# KiCad board Panel3-copy2.kicad_pcb (continued)
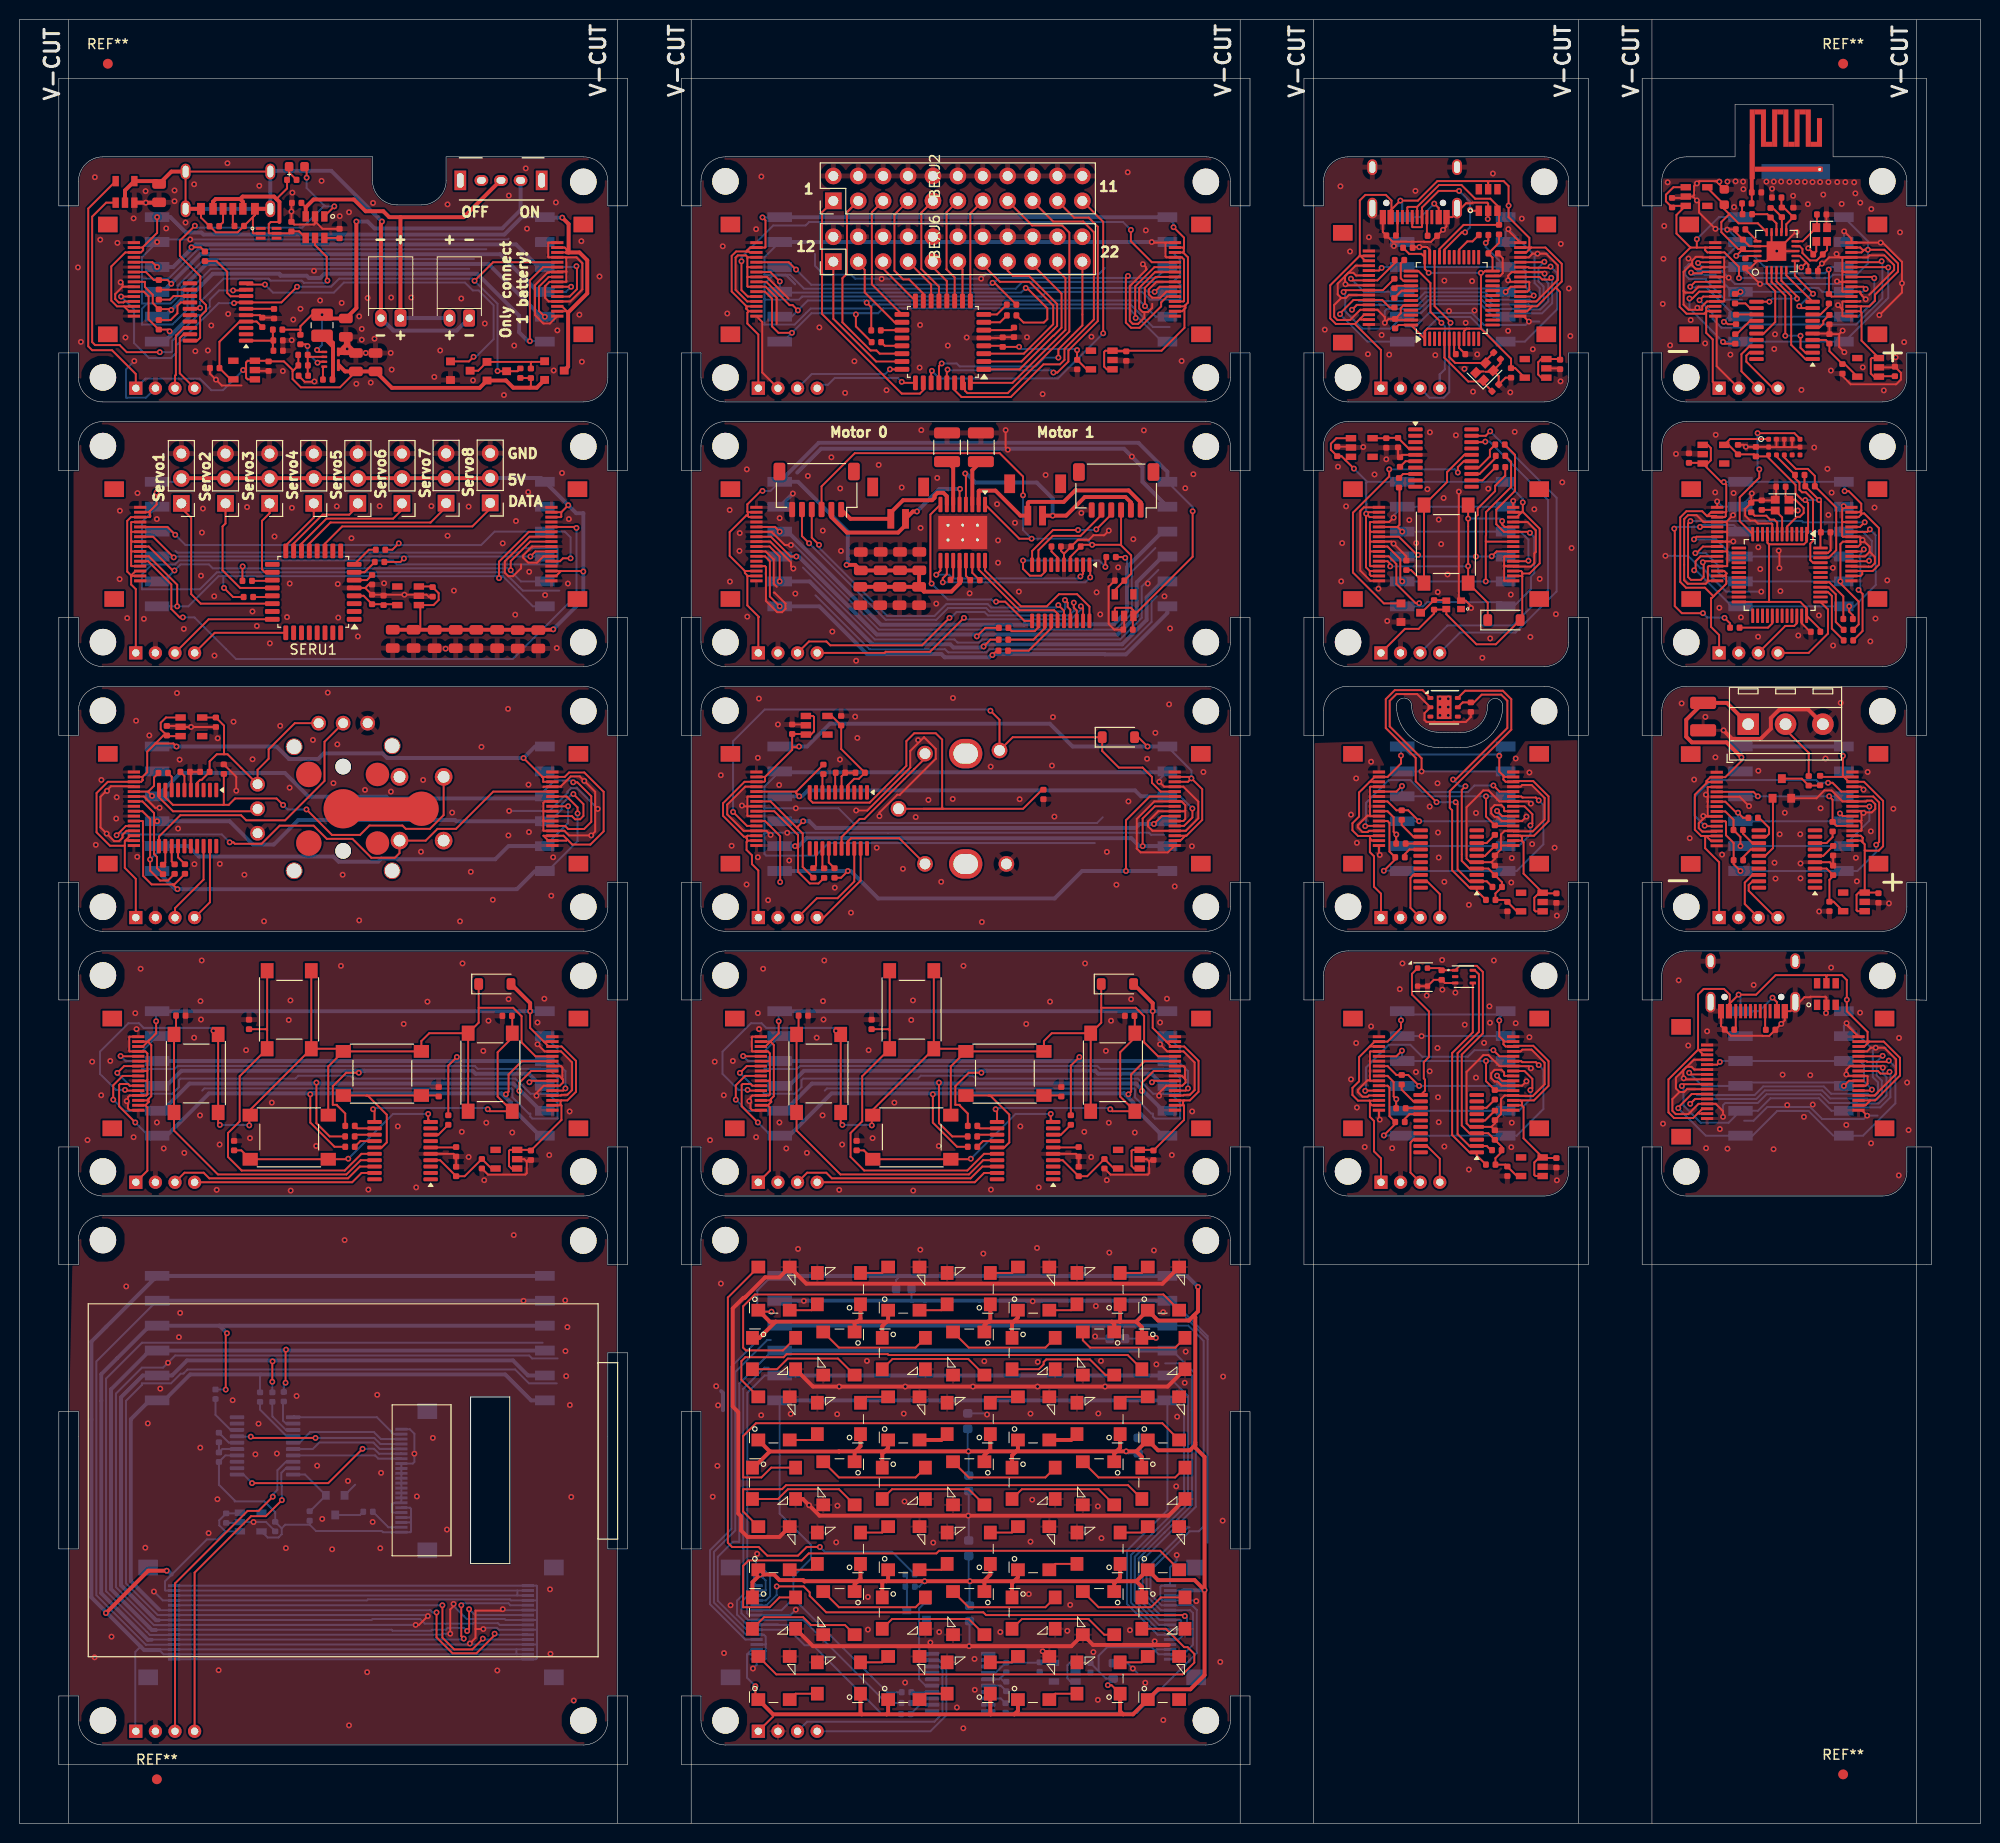
[diagram p0: board, top side]
## Routing (per net, layer and track width the routed paths; a pad name or vN(x,y) marks a point on that pad's centre or on a via; arc(x,y) is an arc through that point) (continued)
  Bottom w0.2: v1(186.38,84.03) 186.38,83.15 POWJ3.6 ; v1(178.79,84.23) 177.41,82.85 POWJ1.1 175.53,84.35 v1(175.34,84.54)
POW_GND: length 130.2
  Top w0.2: v1(184.25,82.66) 184.29,82.7 POWIC1.2 184.29,84.23 184.19,84.33 182.68,84.33 182.62,84.28 182.05,84.28 180.63,82.86 180.04,82.86 180.04,81.91 v1(179.69,81.56) POWR1.2 178.47,80.33 177.78,80.33 177.76,80.34 174.54,80.34 POWR2.1 173.54,81.34 173.54,82.86 ; v1(188.45,72.2) 187.9,72.75 POWJ6.1 ; 169.3,74.61 168.58,73.89 168.58,72.69 168.92,72.35 170.2,72.35 171.25,73.4 POWJ5.13 173,73.4 173.75,72.65 v1(173.75,72.08) ; 169.3,74.61 169.78,74.61 170.08,74.9 POWJ5.10 ; 169.3,74.61 168.94,74.97 168.94,76.07 170.77,77.9 POWJ5.4 ; v1(186.35,81.62) 186.35,81.47 POWJ6.16 ; POWJ6.4 189.2,74.25 191.4,76.45 191.4,77.92 190.2,79.12 v1(189.32,79.12) 188.82,79.12 188.44,78.75 POWJ6.13 ; v1(190.05,77.09) 189.89,77.25 POWJ6.10 186.69,77.25 186.32,76.88 v1(186.32,76.4) 186.47,76.25 POWJ6.8 188.44,76.25 188.5,76.2 188.5,75.44 188.3,75.25 POWJ6.6 ; POWJ5.8 169.84,75.9 v1(169.74,76) 169.69,76.04 169.69,76.84 170.03,77.17 170.54,77.17 170.82,76.9 POWJ5.6
  Bottom w0.2: 180.38,73.08 180.38,73.2 v1(180.3,73.28) ; 180.38,73.08 178.26,73.08 176.86,71.67 175.9,71.67 ; 180.38,73.08 182.64,73.08 ; 182.64,73.08 182.89,73.33 v1(182.9,73.33) ; 182.64,73.08 183.87,71.85 188.1,71.85 v1(188.45,72.2) 189.51,72.2 ; v1(173.75,72.08) 173.75,73.27 173.97,73.49 177.3,73.49 178.18,74.38 183.69,74.38 184.58,73.49 187.38,73.49 187.43,73.44 189.62,73.44 190.42,74.24 190.42,76.12 190.05,76.49 v1(190.05,77.09) ; v1(189.32,79.12) 188.85,79.12 v1(186.35,81.62) 186.07,81.35 POWJ3.5 ; v1(189.32,79.12) 189.03,78.83 189.03,76.12 189.55,75.6 189.55,74.5 189.29,74.24 188.7,74.24 188.51,74.43 184.77,74.43 184.02,75.17 177.85,75.17 176.97,74.29 171.09,74.29 ; v1(189.32,79.12) 190.35,79.12
  vias: v1(167.62,71.38) v1(169.22,86) v1(170.2,79.35) v1(172.03,68.88) v1(172.12,80.8) v1(173.43,70.83) v1(174.2,68.83) v1(176.88,85.53) v1(178.9,68.78) v1(179.82,76.38) v1(182,72.08) v1(182.65,76.33) v1(184.78,87.3) v1(186.32,71.25) v1(187.72,82.7) v1(188.85,69.38) v1(191.7,80.12) v1(191.68,66.1) v1(192.53,75.58) v1(192.68,70.72)
POW_Interrupt5V: length 29.6
  Top w0.2: POWJ6.12 189.97,78.25 v1(190.03,78.3) ; POWJ5.12 170.9,73.9 v1(170.4,73.4)
  Bottom w0.2: v1(170.4,73.4) 170.89,73.89 177.13,73.89 178.02,74.78 183.86,74.78 184.68,73.95 188.42,73.95 188.54,73.84 189.45,73.84 189.95,74.33 189.95,75.77 189.43,76.29 189.43,77.7 v1(190.03,78.3)
POW_MISO: length 34.7
  Top w0.2: POWJ6.9 189.54,76.75 189.8,76.49 190.55,76.49 v1(190.73,76.66) ; v1(169.54,75.22) 169.73,75.4 POWJ5.9
  Bottom w0.2: v1(169.54,75.22) 169.71,75.05 169.71,73.24 171.47,71.47 174.31,71.47 POWJ1.5 177.31,72.69 178.59,73.97 183.53,73.97 184.81,72.69 POWJ3.2 186.42,73.04 189.78,73.04 190.82,74.07 190.82,76.57 v1(190.73,76.66)
POW_MOSI: length 37.1
  Top w0.2: v1(169.18,72.95) 169.18,73.03 170.55,74.4 172.12,74.4 POWJ5.11 ; POWJ6.11 188.4,77.75 188.46,77.69 190.54,77.69 v1(190.66,77.81)
  Bottom w0.2: v1(190.66,77.81) 191.33,77.13 191.33,73.45 188.03,70.15 POWJ3.1 ; v1(169.18,72.95) 171.99,70.15 POWJ1.6 176.75,70.15 179.28,72.67 182.47,72.67 185,70.15
POW_Net-(J2-CC1): length 1.9
  Top w0.2: 178.04,82.86 178.04,81.02 178.12,80.95
POW_Net-(J2-CC2): length 1.9
  Top w0.2: 174.88,80.97 175.04,81.14 175.04,82.86
POW_PS: length 20.8
  Top w0.2: v1(173.43,77.67) 173.15,77.4 POWJ5.5 ; 188.85,74.75 POWJ6.5
  Bottom w0.2: POWJ3.4 POWJ1.3 173.52,77.77 v1(173.43,77.67) ; POWJ3.4 187.71,77.77 188.12,77.35 188.12,75.7 188.94,74.89 v1(188.94,74.85) ; POWJ3.4 186.48,77.77
POW_SCLK: length 20.2
  Top w0.2: v1(170.29,76.57) 170.47,76.4 POWJ5.7 ; v1(186.07,75.23) 186.59,75.75 POWJ6.7
  Bottom w0.2: v1(170.29,76.57) 171.64,75.23 POWJ1.4 175.87,75.58 185.73,75.58 v1(186.07,75.23)
SCR_5V: length 265.9
  Top w0.4: v1(8.8,21.45) 13.12,25.78 v1(15,25.78)
  Bottom w0.2: 50.67,17.75 50.67,17.28 50.7,17.25 ; 50.67,17.75 14.32,17.75 14.25,17.68 14.68,17.25 50.7,17.25 ; 50.67,17.75 SCRJ5.14 ; SCRJ4.1 11.8,9.45 11.8,17.5 12.34,18.04 ; SCRU2.3 22.41,31.62 SCRC8.1 20.36,30.91 20.36,30.41 20.98,29.79 ; 50.7,17.25 SCRJ5.15 ; 20.98,29.79 20.16,28.97 19.11,28.97 14.83,24.7 14.83,23.8 14.88,23.75 50.77,23.75 ; 20.98,29.79 SCRU2.1 ; SCRJ5.3 50.75,23.25 ; 50.75,23.25 50.77,23.28 50.77,23.75 ; 50.75,23.25 15.76,23.25 ; 50.77,23.75 SCRJ5.2 ; 8.87,21.52 v1(8.8,21.45)
  Bottom w0.4: 14.25,17.68 12.71,17.68 7.33,23.06 7.33,49.15 SCRJ1.1 53.58,55.85 ; v1(15,25.78) 15.12,25.78 15.52,25.38
SCR_BACKLIGHT: length 6.5
  Bottom w0.2: 29.59,31.84 29.62,31.84 SCRQ2.1 29.11,35.59 SCRU3.20
SCR_CHIP_SELECT: length 11.6
  Bottom w0.2: SCRU3.16 29.89,38.19 30.56,38.85 36.08,38.85 36.73,38.21 38.94,38.21
SCR_DC: length 11.2
  Bottom w0.2: SCRU3.17 36.27,37.53 36.27,37.53 36.59,37.21 38.94,37.21
SCR_GND: length 593.4
  Top w0.2: v1(44.26,22.39) 44.26,22.16 43.92,21.82 v1(43.92,19.35) ; v1(40.39,20.25) 40.74,20.25 v1(41.64,21.15) ; 46.5,19.82 46.5,18.93 v1(45.92,18.35) ; 46.5,19.82 46.5,21.7 49.13,21.7 v1(49.28,21.85) ; 46.5,19.82 v1(47.3,19.82)
  Bottom w0.2: v1(41.64,21.15) 41.54,21.25 14.09,21.25 10.85,24.49 10.85,43.1 12.47,44.72 12.47,44.89 15.45,44.89 16.43,45.87 16.7,45.87 17.12,46.3 50.54,46.3 51.95,44.89 54.79,44.89 ; 34.23,34.55 SCRQ2.2 ; 52.77,22.75 SCRJ5.4 50.12,22.75 50.02,22.85 35.52,22.85 35.42,22.75 14.6,22.75 v1(13.7,23.65) ; 52.77,22.75 52.77,24.2 52.72,24.25 SCRJ5.1 15.76,24.25 ; 52.77,22.75 52.77,21.78 ; 38.94,31.71 38.06,31.71 38.01,31.75 38.01,32.51 38.2,32.71 38.94,32.71 38.94,36.71 40.1,36.71 40.27,36.88 v1(40.27,37.72) 40.27,39.75 39.81,40.21 38.94,40.21 ; 15.76,16.75 SCRJ5.16 52.67,16.75 52.77,16.84 52.77,18.22 ; v1(43.92,19.35) 43.15,19.35 43.05,19.25 15.76,19.25 15.73,19.22 13.29,19.22 8.82,23.69 8.82,45.38 12.47,49.03 53.35,49.03 ; 52.77,21.78 52.74,21.75 SCRJ5.6 49.38,21.75 v1(49.28,21.85) ; 52.77,21.78 52.77,20.78 ; SCRC9.2 26.07,29.8 25.13,30.74 v1(23.86,30.74) SCRU2.2 22.39,30.66 21.07,30.66 ; SCRJ1.2 7.83,47.11 7.83,23.27 12.87,18.22 15.73,18.22 15.76,18.25 SCRJ5.13 52.74,18.25 52.77,18.22 ; 52.77,19.8 52.72,19.75 SCRJ5.10 48.9,19.75 48.7,19.95 47.42,19.95 v1(47.3,19.82) ; 52.77,19.8 52.77,20.78 ; 52.77,19.8 52.77,18.22 ; SCRU3.5 20.68,38.19 SCRC2.2 SCRC1.2 ; 52.77,20.78 52.74,20.75 SCRJ5.8 49.58,20.75 49.48,20.85 45.6,20.85 44.26,22.19 v1(44.26,22.39) ; 54.88,47.43 52.27,47.43 51.98,47.73 15.88,47.73 v1(15.13,46.99) 14.63,46.49 12.47,46.49 9.82,43.84 9.82,24.1 13.7,20.22 15.73,20.22 15.76,20.25 v1(40.39,20.25)
  Bottom w0.4: 53.58,53.31 v1(51.4,53.31) SCRJ1.2
  vias: v1(7.65,16.94) v1(9.38,19.05) v1(10.88,54.78) v1(12.82,28.12) v1(13.07,40.8) v1(14.35,44.35) v1(16.25,49.6) v1(16.38,52.08) v1(18.43,38.33) v1(19.28,29.61) v1(20.18,33.07) v1(20.3,15.62) v1(21.73,43.17) v1(24.05,37.65) v1(24.37,40.77) v1(26.24,37.73) v1(27.16,28.08) v1(28.25,43.6) v1(30.35,36.49) v1(30.87,31.06) v1(31.88,27.96) v1(33.15,59.5) v1(33.49,34.93) v1(33.6,10) v1(35.45,15.43) v1(36.01,30.75) v1(36.48,43.72) v1(36.79,28.07) v1(36.87,35.76) v1(40.52,33.35) v1(42.15,39.32) v1(43.59,29.97) v1(48.73,15.6) v1(50.4,60.01) v1(54.1,23.88) v1(54.15,17.3) v1(55.65,53.35) v1(55.67,48.17) v1(55.75,45.62) v1(55.88,50.62) v1(56.12,42.67) v1(56.27,33.3) v1(56.52,12.53)
SCR_Interrupt5V: length 40.4
  Top w0.2: v1(47.25,18.85) 47.25,18.83 46.17,17.75 44.33,17.75 43.12,18.95 v1(43.12,22.25)
  Bottom w0.2: v1(47.25,18.85) 47.35,18.75 SCRJ5.12 ; v1(43.12,22.25) 15.76,22.25
SCR_LEDK: length 3.6
  Bottom w0.2: SCRR5.2 37.61,30.21 38.94,30.21
SCR_MISO: length 111.1
  Top w0.2: v1(25.77,45.05) 25.77,47.11 v1(25.8,47.13)
  Bottom w0.2: SCRR4.2 v1(25.77,45.05) ; 14.2,20.72 14.22,20.75 35.9,20.75 36,20.85 40.85,20.85 41.33,20.38 46.27,20.38 46.33,20.43 48.79,20.43 48.96,20.25 SCRJ5.9
  Bottom w0.4: 14.2,20.72 13.91,20.72 10.35,24.29 10.35,43.47 12.57,45.69 SCRJ1.5 15.54,45.69 17.07,47.22 50.33,47.22 51.86,45.69 53.58,45.69
SCR_MOSI: length 109.6
  Top w0.2: v1(48.45,19.35) 48.45,19.2 46.6,17.35 44.16,17.35 42.52,18.98 v1(42.52,21.52)
  Bottom w0.2: SCRR2.2 24.52,45.72 24.6,45.8 ; 14.22,21.82 14.3,21.75 41.9,21.75 42.13,21.52 v1(42.52,21.52) ; v1(48.45,19.35) 48.55,19.25 SCRJ5.11
  Bottom w0.4: 14.22,21.82 11.35,24.7 11.35,41.22 13.28,43.15 SCRJ1.6 14.75,43.15 17.4,45.8 49.52,45.8 52.17,43.15 53.58,43.15
SCR_Net-(Q2-D): length 3
  Bottom w0.2: SCRQ2.3 34.73,31.46 SCRR5.1
SCR_Net-(U3-NRST): length 2.3
  Bottom w0.2: SCRC1.1 21.34,38.84 22.18,38.84
SCR_Net-(U3-PA1): length 4.4
  Bottom w0.2: SCRR1.1 19.98,41.68 21.52,40.13 SCRU3.8
SCR_Net-(U3-PA5): length 3.1
  Bottom w0.2: SCRU3.12 27.17,40.78 26.86,41.09 26.86,42.96 SCRR3.1
SCR_Net-(U3-PA6): length 4.2
  Bottom w0.2: SCRR4.1 25.77,41.53 27.17,40.13 SCRU3.13
SCR_Net-(U3-PA7): length 5.3
  Bottom w0.2: 27.9,39.49 27.25,39.49 24.52,42.21 SCRR2.1
SCR_PS: length 127
  Top w0.2: v1(21.15,50) 21.02,49.88 v1(21.02,44.25) ; v1(45.05,22.25) 45.05,19.1 v1(45.3,18.85)
  Bottom w0.2: v1(21.02,44.25) 21.02,44.26 SCRR1.2 ; v1(45.3,18.85) 45.2,18.75 13.47,18.75 13.45,18.72 ; SCRJ5.5 50.06,22.25 49.86,22.45 45.25,22.45 v1(45.05,22.25)
  Bottom w0.4: 20.38,50.77 SCRJ1.3 13.28,50.77 8.32,45.82 8.32,23.48 13.08,18.72 13.45,18.72 ; 20.38,50.77 v1(21.15,50) ; 20.38,50.77 53.58,50.77
SCR_RESET: length 11.8
  Bottom w0.2: 38.94,39.21 36.86,39.21 36.14,39.92 29.65,39.92 29.65,39.92 28.56,38.84 27.9,38.84
SCR_S_MOSI: length 11.9
  Bottom w0.2: 38.94,39.71 38.16,39.71 36.44,41.44 SCRU3.11 28.02,41.55
SCR_S_SCK: length 18.8
  Top w0.2: v1(23.71,34.71) 31.48,34.71 v1(34.98,38.21)
  Bottom w0.2: SCRU3.1 22.84,35.59 v1(23.71,34.71) ; 38.88,37.75 38.94,37.71 36.66,37.71 36.16,38.21 v1(34.98,38.21)
SCR_SCLK: length 117.6
  Top w0.2: v1(45.65,19.63) 45.85,19.83 v1(45.85,21.85) ; v1(27.12,44.95) 27.12,48.28 v1(27.18,48.33)
  Bottom w0.2: 13.91,19.72 13.93,19.75 37.95,19.75 38.05,19.65 41.98,19.65 42.08,19.75 43.48,19.75 43.68,19.95 45.33,19.95 v1(45.65,19.63) ; SCRJ5.7 46.45,21.25 v1(45.85,21.85) ; SCRR3.2 26.95,44.77 v1(27.12,44.95)
  Bottom w0.4: 13.91,19.72 13.49,19.72 9.32,23.89 9.32,44.28 13.28,48.23 SCRJ1.4 53.58,48.23
SCR_SWDCLK: length 32.4
  Top w0.2: SCRJ4.4 17.85,25.58 23.61,31.34 25.11,31.34 v1(26.75,32.97)
  Bottom w0.2: v1(26.75,32.97) 26.75,34.48 26.69,34.54 26.69,35.76 27.17,36.24 27.9,36.24
SCR_SWDIO: length 33.6
  Top w0.2: v1(25.82,33.32) 24.38,31.88 23.25,31.88 15.85,24.47 SCRJ4.3
  Bottom w0.2: SCRU3.18 27.17,36.88 26.29,36.01 26.29,34.02 25.82,33.56 v1(25.82,33.32)
SCR_TE: length 17.1
  Top w0.2: v1(30.18,39.32) 23.71,39.32 v1(23.58,39.45)
  Bottom w0.2: 38.94,38.71 36.79,38.71 36.18,39.32 v1(30.18,39.32) ; v1(23.58,39.45) 22.21,39.45 22.18,39.49
SCR_VDD: length 36.1
  Bottom w0.2: 38.94,30.71 39.83,30.71 39.92,30.8 ; 39.92,30.8 39.92,29.78 39.85,29.71 37.06,29.71 36.94,29.83 30.23,29.83 29.59,30.47 ; 39.92,30.8 39.92,31.32 ; SCRU2.5 25.3,29.16 26.4,29.16 26.74,29.5 26.74,30.09 26.73,30.1 ; 29.59,30.47 SCRR7.2 29.48,30.76 ; 29.59,30.47 27.09,30.47 26.73,30.1 ; 39.92,31.32 39.8,31.21 38.94,31.21 ; 39.92,31.32 39.92,32.09 39.81,32.21 38.94,32.21 ; 26.73,30.1 SCRC9.1 26.07,31.75 24.96,32.85 21.94,32.85 21.94,32.93 20.33,34.54 SCRC2.1 20.99,37.53 SCRU3.4
SER_5V: length 128.6
  Top w0.2: 11.38,127.3 10.97,127.7 10.97,132.87 11.36,133.25 SERJ12.3 13.28,133.25 13.32,133.3 13.32,133.45 13.28,133.5 13.28,133.85 ; 11.38,127.3 11.82,127.75 SERJ12.14 ; 11.38,127.3 11.38,127.15 ; 13.28,133.85 13.18,133.75 SERJ12.2 ; 13.28,133.85 13.97,134.55 v1(13.97,135.75) ; 55.25,133.75 v1(55.96,134.46) ; 55.25,133.75 55.25,133.3 55.2,133.25 SERJ13.14 ; 55.25,133.75 SERJ13.15 ; SERJ13.2 54.73,127.25 55.23,127.75 ; 55.23,127.75 57.45,127.75 v1(57.5,127.7) ; 55.23,127.75 SERJ13.3 ; SERU2.3 42.06,126.17 42.74,125.49 42.74,124.8 42.22,124.28 SERU2.1 40.88,124.12 40.88,121.69 ; SERJ12.15 11.47,127.25 11.38,127.15 ; SERC14.1 52.87,121.76 SERC5.1 ; 11.38,127.15 11.38,126.38 11.85,125.9 SERJ4.1
  Top w0.4: v1(54.44,121.8) 54.4,121.76 SERC5.1 ; 16.55,137.22 48,137.22
  Bottom w0.2: SERJ2.2 16.16,136.85 SERJ1.1 13.97,136.8 v1(13.97,135.75)
  Bottom w0.4: SERJ11.2 53.19,137.24 v1(55.96,134.46) 56.77,133.65 57.5,133.65 v1(57.5,127.7) 57.5,124.87 v1(54.44,121.8)
SER_GND: length 171.8
  Top w0.2: SERJ12.4 11.43,132.75 11.38,132.7 11.38,131.72 ; 11.38,131.72 11.38,130.85 ; 11.38,131.72 11.4,131.75 SERJ12.6 ; SERJ12.8 11.47,130.75 11.38,130.85 ; SERJ13.10 52.01,131.25 49.49,128.73 49.49,127.58 49.84,127.23 50.34,127.23 51.15,128.04 51.15,128.43 ; 35.26,126.03 35.61,126.38 SERC4.2 ; 35.26,126.03 SERC3.2 v1(39.25,125.34) 41.52,125.34 41.75,125.1 41.79,125.14 SERC8.2 ; 35.26,126.03 SERU1.5 ; 11.38,130.85 11.38,129.8 ; 11.38,129.8 11.43,129.75 SERJ12.10 ; 11.38,129.8 11.38,128.3 11.43,128.25 SERJ12.13 ; SERJ13.6 53.42,129.25 52.77,128.6 51.88,128.6 51.35,129.13 51.35,129.33 52.27,130.25 SERJ13.8
  Bottom w0.2: 13.5,128.43 12.48,128.43 12.47,128.43 12.47,132.76 SERJ1.2 ; 13.5,128.43 12.47,127.4 12.47,125.89 18.39,125.89 20.12,127.62 49.45,127.62 51.33,125.75 55.05,125.75 ; 13.5,128.43 15.85,128.43 16.26,128.83 38.08,128.83 38.48,128.43 54.88,128.43 54.88,130 54.8,130.07 51.38,130.07 50.93,129.63 16.07,129.63 15.9,129.8
  vias: v1(10.22,133.9) v1(10.2,126.92) v1(10.97,122.95) v1(12.03,135.7) v1(12.68,122.88) v1(14,133.05) v1(16.75,121.85) v1(18.5,127.28) v1(18.6,131.68) v1(18.7,134.12) v1(19.85,125.17) v1(19.88,119.12) v1(23.2,134.28) v1(23.75,123.62) v1(24.2,122.15) v1(25.52,120.38) v1(26,131.28) v1(27.27,123.05) v1(27.55,126.47) v1(27.77,134.2) v1(32.35,134.35) v1(32.45,126.42) v1(32.5,123) v1(33.85,131.1) v1(34.5,121.08) v1(36.73,134.38) v1(37.17,126.5) v1(42,134.38) v1(43.45,119.83) v1(43.65,131.35) v1(44.3,125.75) v1(45.8,134.32) v1(49.27,130.57) v1(50.55,123.3) v1(50.62,132.85) v1(51.88,135.8) v1(51.98,127.67) v1(53.6,125.3) v1(54.78,119.9) v1(55.33,137.75) v1(55.92,126.47) v1(56.02,133.05)
SER_Interrupt5V: length 62.3
  Top w0.2: v1(56.8,132.15) 56.7,132.25 SERJ13.12 ; v1(16.65,123.03) 16.32,123.03 15.47,123.88 15.47,126.38 13.11,128.75 SERJ12.12
  Bottom w0.2: v1(56.8,132.15) 56.8,125.28 50.3,118.78 22.07,118.78 17.82,123.03 v1(16.65,123.03)
SER_MISO: length 53.2
  Top w0.2: SERR7.2 22.73,128.2 v1(22.75,128.22) ; SERJ12.9 13.18,130.25 15.62,127.8 v1(15.8,127.8) ; SERJ13.9 52.08,130.75 50.09,128.77 v1(50.09,127.83)
  Bottom w0.2: 22.95,128.03 49.8,128.03 51.13,126.69 53.58,126.69 ; 22.95,128.03 19.7,128.03 19.3,128.43 16.42,128.43 v1(15.8,127.8) 14.68,126.69 SERJ1.5 ; 22.95,128.03 22.95,128.05 22.77,128.22 v1(22.75,128.22)
SER_MOSI: length 61.6
  Top w0.2: SERR8.2 21.77,125.1 v1(20.85,126.03) ; SERJ12.11 13.18,129.25 16.07,126.35 v1(16.07,124.15) ; SERJ13.11 51.94,131.75 48.9,128.71 v1(48.9,127.03)
  Bottom w0.2: SERJ1.6 v1(16.07,124.15) 17.22,124.15 20.29,127.22 20.77,127.22 ; v1(20.85,126.03) 20.77,126.1 20.77,127.22 ; 20.77,127.22 49.28,127.22 ; 49.28,127.22 52.36,124.15 53.58,124.15 ; 49.28,127.22 49.08,127.03 v1(48.9,127.03)
SER_Net-(U1-NRST): length 2
  Top w0.2: SERU1.6 35.43,126.83 SERC4.1
SER_Net-(U1-PA0): length 2.5
  Top w0.2: SERU1.7 35.18,127.62 SERR5.1
SER_Net-(U1-PA1): length 2.8
  Top w0.2: SERR6.1 35.62,129.93 SERU1.8
SER_Net-(U1-PA9/NC): length 2.1
  Top w0.2: SERR7.1 25.7,126.75 SERU1.19
SER_Net-(U1-PA10/NC): length 2
  Top w0.2: SERR8.1 25.65,125.1 SERU1.21
SER_PS: length 53.3
  Top w0.2: v1(56.2,129.05) 55.42,129.05 55.12,128.75 SERJ13.5 ; SERR6.2 38.02,129.93 v1(38.67,130.57) ; v1(15.88,131.45) 15.07,132.25 SERJ12.5
  Bottom w0.2: SERJ1.3 15.55,131.77 v1(15.88,131.45) 16.93,130.4 47.08,130.4 48.45,131.77 55.6,131.77 56.2,131.18 v1(56.2,129.05)
SER_PWM1: length 18.3
  Top w0.2: SERU1.22 18.48,124.42 17.5,125.4 17.5,133.18 16.5,134.18 SERJ2.1
SER_PWM2: length 12.8
  Top w0.2: SERU1.20 22.5,126.03 20.7,127.82 20.7,132.3 21,132.6 SERJ5.1
SER_PWM3: length 8.2
  Top w0.2: SERU1.18 25.03,127.62 24.73,127.93 24.73,132.88 25.5,133.65 SERJ6.1
SER_PWM4: length 6
  Top w0.2: SERU1.16 27.15,130.35 30,133.2 SERJ7.1
SER_PWM5: length 9.2
  Top w0.2: SERJ8.1 34.5,134.38 33.62,133.5 30.9,133.5 27.95,130.55 SERU1.15
SER_PWM6: length 13.1
  Top w0.2: SERU1.14 28.75,130.55 31.3,133.1 38.1,133.1 39,134 SERJ9.1
SER_PWM7: length 16.6
  Top w0.2: SERU1.13 29.55,130.55 31.7,132.7 41.92,132.7 43.5,134.28 SERJ10.1
SER_PWM8: length 19.7
  Top w0.2: SERJ11.1 48.05,134.65 48.05,134.17 46.17,132.3 32.9,132.3 31.15,130.55 SERU1.11
SER_SCLK: length 50.1
  Top w0.2: v1(39.2,129.03) 38.84,128.68 SERR5.2 ; v1(52.1,129.23) 52.62,129.75 SERJ13.7 ; v1(15.72,129.14) 13.61,131.25 SERJ12.7
  Bottom w0.2: v1(15.72,129.14) 14.11,129.14 SERJ1.4 v1(52.1,129.23) 53.58,129.23
SER_SWDCLK: length 10.1
  Top w0.2: SERJ4.4 19.9,121.45 SERU1.25
SER_SWDIO: length 11.3
  Top w0.2: SERU1.24 19.27,122.83 SERJ4.3
SER_VDD: length 4.8
  Top w0.2: SERU1.4 35.09,125.22 SERC3.1 38.44,124.37 SERU2.5
TMP_5V: length 65.6
  Top w0.2: TMPJ4.1 138.86,94.84 138.15,95.55 138.15,98.65 137.73,99.07 137.73,100.43 ; 137.71,106.25 136.62,105.16 136.62,102.7 135.95,102.03 135.95,101.3 136.53,100.72 137.68,100.72 ; 137.71,106.25 138.21,106.75 TMPJ5.2 139.53,106.75 140.9,108.12 v1(140.9,108.92) ; 137.71,106.25 TMPJ5.3 ; TMPJ5.15 137.95,100.25 137.75,100.45 137.75,100.65 137.68,100.72 ; 151.35,106.87 151.47,106.75 TMPJ3.15 ; 151.35,106.87 150.93,107.3 v1(150.93,108.9) ; 151.35,106.87 151.35,106.48 151.57,106.25 TMPJ3.14 152.42,106.33 154.39,106.33 155.95,104.76 155.95,102.24 154.46,100.75 153.07,100.75 ; 153.07,100.75 153.25,100.58 153.25,100.28 153.22,100.25 ; 153.07,100.75 TMPJ3.3 ; 137.68,100.72 138.63,100.72 TMPJ5.14 ; 153.22,100.25 153.4,100.07 153.4,96.89 TMPU2.3 ; 153.22,100.25 TMPJ3.2 ; TMPU2.3 155.41,94.87 TMPC8.1 ; TMPU2.3 155.01,94.94 154.5,94.42 154.5,93.16 154.62,93.03 TMPU2.1
  Bottom w0.2: v1(140.9,108.92) 140.9,109.72 TMPJ1.1 141.84,109.03 150.75,109.03 TMPJ2.6 150.93,109.2 v1(150.93,108.9)
TMP_/DAP: length 0.4
  Top w0.2: 144.88,113.85 TMPU1.7
  vias: v1(144.88,114.72) v1(144.88,113.88) v1(144.88,113.03) v1(145.72,114.72) v1(145.72,113.88) v1(145.72,113.03)
TMP_GND: length 80.6
  Top w0.2: TMPJ5.4 137.78,105.75 137.73,105.7 137.73,102.8 ; 151.1,99.67 151.17,99.75 TMPJ3.1 ; 151.1,99.67 151.1,100.88 151.47,101.25 TMPJ3.4 152.4,101.2 154.35,101.2 155.55,102.4 155.55,104.6 154.22,105.92 153.28,105.92 153.1,105.75 TMPJ3.13 ; 151.1,99.67 151.1,99.36 TMPC1.2 150.48,98.4 150.13,98.05 ; TMPJ5.10 137.78,102.75 137.73,102.8 ; 150.13,98.05 TMPC2.2 ; 150.13,98.05 TMPU3.5 147.95,98.05 147.59,98.41 147.59,103.67 149.29,105.37 149.82,105.37 150.94,104.25 TMPJ3.10 153.93,104.25 v1(154.15,104.03) ; 137.73,102.8 137.47,102.8 136.5,101.83 136.5,101.6 136.97,101.12 137.5,101.12 137.62,101.25 TMPJ5.13 ; TMPC3.2 148.03,112.87 147.51,112.35 143.5,112.35 143.3,112.55 143.3,113.25 TMPU1.2 142.55,115.2 140.44,115.2 139.75,114.51 139.75,111.9 143,108.65 v1(143,107.31) ; TMPJ3.8 151.47,103.25 151.42,103.3 151.42,103.6 151.15,103.88 150.45,103.88 150.1,103.52 150.1,103.03 150.45,102.67 150.73,102.67 151.16,102.25 TMPJ3.6 153.25,102.25 v1(153.7,102.7) ; v1(138.73,98.79) 138.66,98.87 TMPJ5.16
  Bottom w0.2: TMPJ2.5 v1(143,107.31) TMPJ1.2
  vias: v1(135.8,102.9) v1(136.32,106.6) v1(136.4,100.03) v1(137.85,108.3) v1(143.82,103.72) v1(144.62,106.1) v1(144.68,101.08) v1(144.75,98.53) v1(145.32,96.05) v1(147.82,93.7) v1(148.55,103.08) v1(152.2,98.47) v1(152.15,95.97) v1(152.6,108.62) v1(154,107.2) v1(154.28,99.9) v1(156.57,99.53) v1(156.8,92.6)
TMP_Interrupt5V: length 20.9
  Top w0.2: v1(137.25,101.72) 137.28,101.75 TMPJ5.12 ; v1(150.32,105.88) 150.95,105.25 TMPJ3.12
  Bottom w0.2: v1(137.25,101.72) 137.32,101.8 137.32,104.1 139.65,106.42 141.85,106.42 143.07,105.2 147.72,105.2 148.4,105.88 v1(150.32,105.88)
TMP_MISO: length 24
  Top w0.2: TMPJ3.9 153.5,103.75 154.3,102.95 154.3,102 v1(154.1,101.8) ; TMPR4.2 140.41,100.86 v1(140.43,100.88) 140.15,101.15 140.15,102.63 139.53,103.25 TMPJ5.9
  Bottom w0.2: v1(140.43,100.88) 140.43,100.29 TMPJ1.5 TMPJ2.2 152.91,99.69 154.1,100.88 v1(154.1,101.8)
TMP_MOSI: length 31.6
  Top w0.2: TMPJ3.11 153.17,104.75 153.27,104.65 154.65,104.65 v1(154.95,104.35) ; v1(139.15,97.17) 140.31,98.34 TMPR2.2 139.72,99.14 139.72,102.06 139.53,102.25 TMPJ5.11
  Bottom w0.2: v1(154.95,104.35) 155.43,103.88 155.43,99.88 152.7,97.15 TMPJ2.1 TMPJ1.6 141,97.17 v1(139.15,97.17)
TMP_Net-(U3-NRST): length 2.3
  Top w0.2: TMPU3.6 149.47,98.7 TMPC1.1
TMP_Net-(U3-PA1): length 2.2
  Top w0.2: TMPR1.1 149.63,100 TMPU3.8
TMP_Net-(U3-PA5): length 3
  Top w0.2: TMPU3.12 142.17,100.65 140.97,101.84 TMPR3.1
TMP_Net-(U3-PA6): length 1.5
  Top w0.2: TMPR4.1 142.85,99.95 TMPU3.13
TMP_Net-(U3-PA7): length 2.1
  Top w0.2: 141.28,98.55 141.28,98.87 141.77,99.35 TMPU3.14
TMP_PS: length 19.4
  Top w0.2: v1(141,105.83) 140.43,105.25 TMPJ5.5 ; TMPJ3.5 150.53,101.75 TMPR1.2 149.57,102.71 v1(149.57,104.77)
  Bottom w0.2: TMPJ2.4 v1(149.57,104.77) TMPJ1.3 141,104.8 v1(141,105.83)
TMP_SCL: length 31.2
  Top w0.2: TMPU1.6 147.44,115.54 151.29,115.54 152.15,114.68 152.15,111.57 145.88,105.3 145.88,103.59 146.12,103.34 146.12,97.22 147.89,95.45 TMPU3.1 148.63,95.14 TMPR6.2
TMP_SCLK: length 18.8
  Top w0.2: v1(142.75,102.23) 141.63,103.34 TMPR3.2 140.44,103.34 139.53,104.25 TMPJ5.7 ; v1(150.7,103.28) 151.22,102.75 TMPJ3.7
  Bottom w0.2: v1(150.7,103.28) 150.7,103.11 TMPJ2.3 v1(142.75,102.23) TMPJ1.4
TMP_SDA: length 31.1
  Top w0.2: TMPU1.1 143.1,115.6 140.27,115.6 139.35,114.68 139.35,111.73 142.4,108.68 142.4,106.3 v1(144.53,104.17) ; TMPR5.2 149.66,96.1 TMPU3.2 147.89,96.1 146.68,97.32 146.68,103.97 v1(146.47,104.17)
  Bottom w0.2: v1(146.47,104.17) v1(144.53,104.17)
TMP_SWDCLK: length 4.9
  Top w0.2: TMPJ4.4 144.86,94.8 143.56,96.1 TMPU3.19
TMP_SWDIO: length 5.6
  Top w0.2: TMPU3.18 142.17,96.75 141.87,96.45 141.87,93.39 TMPJ4.3
TMP_VDD: length 35.8
  Top w0.2: TMPU2.5 152.72,93.03 TMPC9.1 151.56,94.2 TMPR6.1 150.53,94.86 TMPR5.1 151.2,96.01 TMPC2.1 149.81,97.4 TMPU3.4 147.89,97.4 147.1,98.19 147.1,105.42 v1(147.47,105.8) ; v1(146.21,106.48) 146.49,106.48 151.75,111.74 151.75,114.51 151.12,115.14 149.13,115.14 148.34,114.35 TMPC3.1 147.2,114.35 TMPU1.5
  Bottom w0.2: v1(146.21,106.48) 146.89,105.8 v1(147.47,105.8)
USB_5V: length 91.5
  Top w0.2: 156.68,156.67 157.3,157.29 157.3,159.09 155.64,160.75 154.18,160.75 ; 156.68,156.67 154.76,154.75 154.28,154.75 ; 156.68,156.67 157.12,156.22 USBC8.1 157.06,149.38 USBU2.3 155.22,149.38 154.9,149.05 154.9,147.8 155.22,147.47 USBU2.1 ; 136.2,152.95 138.85,150.31 USBJ4.1 ; 136.2,152.95 134.26,152.95 133.68,153.53 133.68,156.9 136.68,159.9 136.85,159.9 ; 136.2,152.95 136.74,153.49 ; 149.79,167.43 149.69,167.53 144.61,167.53 142.62,165.54 v1(140.84,165.54) 139.84,164.54 USBJ2.A9 139.93,163.94 139.93,165.54 139.35,166.12 137.27,166.12 136.7,165.55 136.7,159.95 ; 149.79,167.43 149.89,167.53 151.37,167.53 151.88,167.02 v1(151.88,165.03) 151.88,163.85 154,161.73 154,160.8 153.94,160.75 ; 149.79,167.43 USBIC1.5 ; 154.18,160.75 153.94,160.75 ; 154.18,160.75 153.68,160.25 USBJ6.14 ; 153.94,160.75 USBJ6.15 ; v1(144.29,165.23) 144.75,164.78 USBJ2.A4 ; 136.74,153.49 136.82,153.4 USBJ5.15 ; 136.74,153.49 137.15,153.9 USBJ5.14 ; USBJ6.2 153.78,154.25 154.28,154.75 ; 154.28,154.75 USBJ6.3 ; 136.85,159.9 136.75,159.9 136.7,159.95 ; 136.85,159.9 USBJ5.2 ; 136.7,159.95 137.25,159.4 USBJ5.3
  Bottom w0.2: v1(140.84,165.54) 141.03,165.35 USBJ1.1 142.91,163.85 v1(144.29,165.23) ; v1(151.88,165.03) 151.88,164.15 USBJ3.6
USB_GND: length 152
  Top w0.2: 134.8,155.61 135.28,155.61 135.58,155.9 USBJ5.10 ; 134.8,155.61 134.44,155.97 134.44,157.07 136.27,158.9 USBJ5.4 ; 134.8,155.61 134.08,154.89 134.08,153.69 134.42,153.35 135.7,153.35 136.75,154.4 USBJ5.13 138.5,154.4 139.25,153.65 v1(139.25,153.07) 139.65,153.47 USBC1.2 ; USBJ5.8 135.34,156.9 v1(135.24,157) 135.19,157.04 135.19,157.84 135.53,158.18 136.04,158.18 136.32,157.9 USBJ5.6 ; 150.78,160.15 151.28,159.66 151.28,158.12 151.01,157.85 USBU1.23 ; 139.04,163.85 139.04,162.34 USBR2.1 140.04,161.34 143.26,161.34 143.28,161.33 143.97,161.33 USBR1.2 v1(145.19,162.56) 145.54,162.91 145.54,163.85 146.13,163.85 147.55,165.28 148.12,165.28 148.18,165.33 149.69,165.33 149.79,165.23 USBIC1.2 149.79,163.7 v1(149.75,163.66) ; USBC8.2 157.04,148.43 USBU2.2 ; USBJ6.4 154.7,155.25 156.9,157.45 156.9,158.93 155.7,160.12 v1(154.82,160.12) 154.32,160.12 153.94,159.75 USBJ6.13 ; USBY2.2 150.87,147.63 150.87,146.78 151.57,147.47 USBC9.2 ; USBY2.2 150.18,148.07 149.51,148.07 ; USBY2.2 151.04,148.94 USBC7.1 ; 143.56,160.8 143.82,160.53 USBU1.35 ; 143.56,160.8 v1(142.78,160.8) ; 143.56,160.8 142.16,160.8 USBC2.2 ; 149.33,148.11 148.66,148.11 USBY2.4 ; USBJ6.6 153.8,156.25 154,156.44 154,157.2 153.94,157.25 USBJ6.8 151.97,157.25 v1(151.82,157.4) 151.82,157.88 152.19,158.25 USBJ6.10 155.39,158.25 v1(155.55,158.09) ; USBU1.44 141.14,154.85 140.88,154.58 140.88,154.04 USBC1.2 ; USBC1.2 140.42,153.35 USBU1.47 ; USBJ6.1 153.4,153.75 v1(153.95,153.2) ; USBU1.8 146.82,150.51 USBC4.1 ; USBJ6.16 151.85,162.47 v1(151.85,162.62)
  Bottom w0.2: 148.14,154.07 149.37,152.85 153.6,152.85 v1(153.95,153.2) 155.01,153.2 ; 148.14,154.07 145.88,154.07 ; 148.14,154.07 148.39,154.32 v1(148.4,154.32) ; 145.88,154.07 143.76,154.07 142.36,152.68 141.4,152.68 ; 145.88,154.07 145.88,154.2 v1(145.8,154.28) ; v1(139.25,153.07) 139.25,154.26 139.47,154.49 142.8,154.49 143.68,155.38 149.19,155.38 150.08,154.49 152.88,154.49 152.93,154.44 155.12,154.44 155.92,155.24 155.92,157.12 155.55,157.49 v1(155.55,158.09) ; USBJ3.5 151.57,162.35 v1(151.85,162.62) 154.35,160.12 v1(154.82,160.12) ; v1(154.82,160.12) 155.85,160.12 ; v1(154.82,160.12) 154.53,159.82 154.53,157.12 155.05,156.6 155.05,155.5 154.79,155.24 154.2,155.24 154.01,155.43 150.27,155.43 149.52,156.18 143.35,156.18 142.47,155.29 136.59,155.29
  vias: v1(133.12,152.38) v1(134.72,167) v1(135.7,160.35) v1(137.53,149.88) v1(137.62,161.8) v1(138.93,151.82) v1(139.7,149.82) v1(140.18,160.9) v1(142.38,166.53) v1(144.4,149.78) v1(145.32,157.38) v1(147.38,148.38) v1(147.5,153.07) v1(148.15,157.32) v1(148.25,146.05) v1(148.68,149.85) v1(150.28,168.3) v1(151.82,152.25) v1(152.05,145.97) v1(153.22,163.7) v1(154.35,150.38) v1(157.2,161.12) v1(157.18,147.1) v1(158.03,156.57) v1(158.18,151.72)
